# Altium PCB BEAGLEPLAYV020_220915.brd.PcbDoc (part 8 of 12)
Units mm, origin at the board's own origin, x right, y up, seen from the top; angles counter-clockwise.
Board outline 80 x 80 mm, 8 copper layers (TOP, LYR2_GND, LYR3, LAY4_PWR1, LAY5_PWR2, LAY6, LYR7_GND, BOTTOM), stack 1.545 mm thick; 782 components, 546 nets, 2864 pads, 2056 vias.
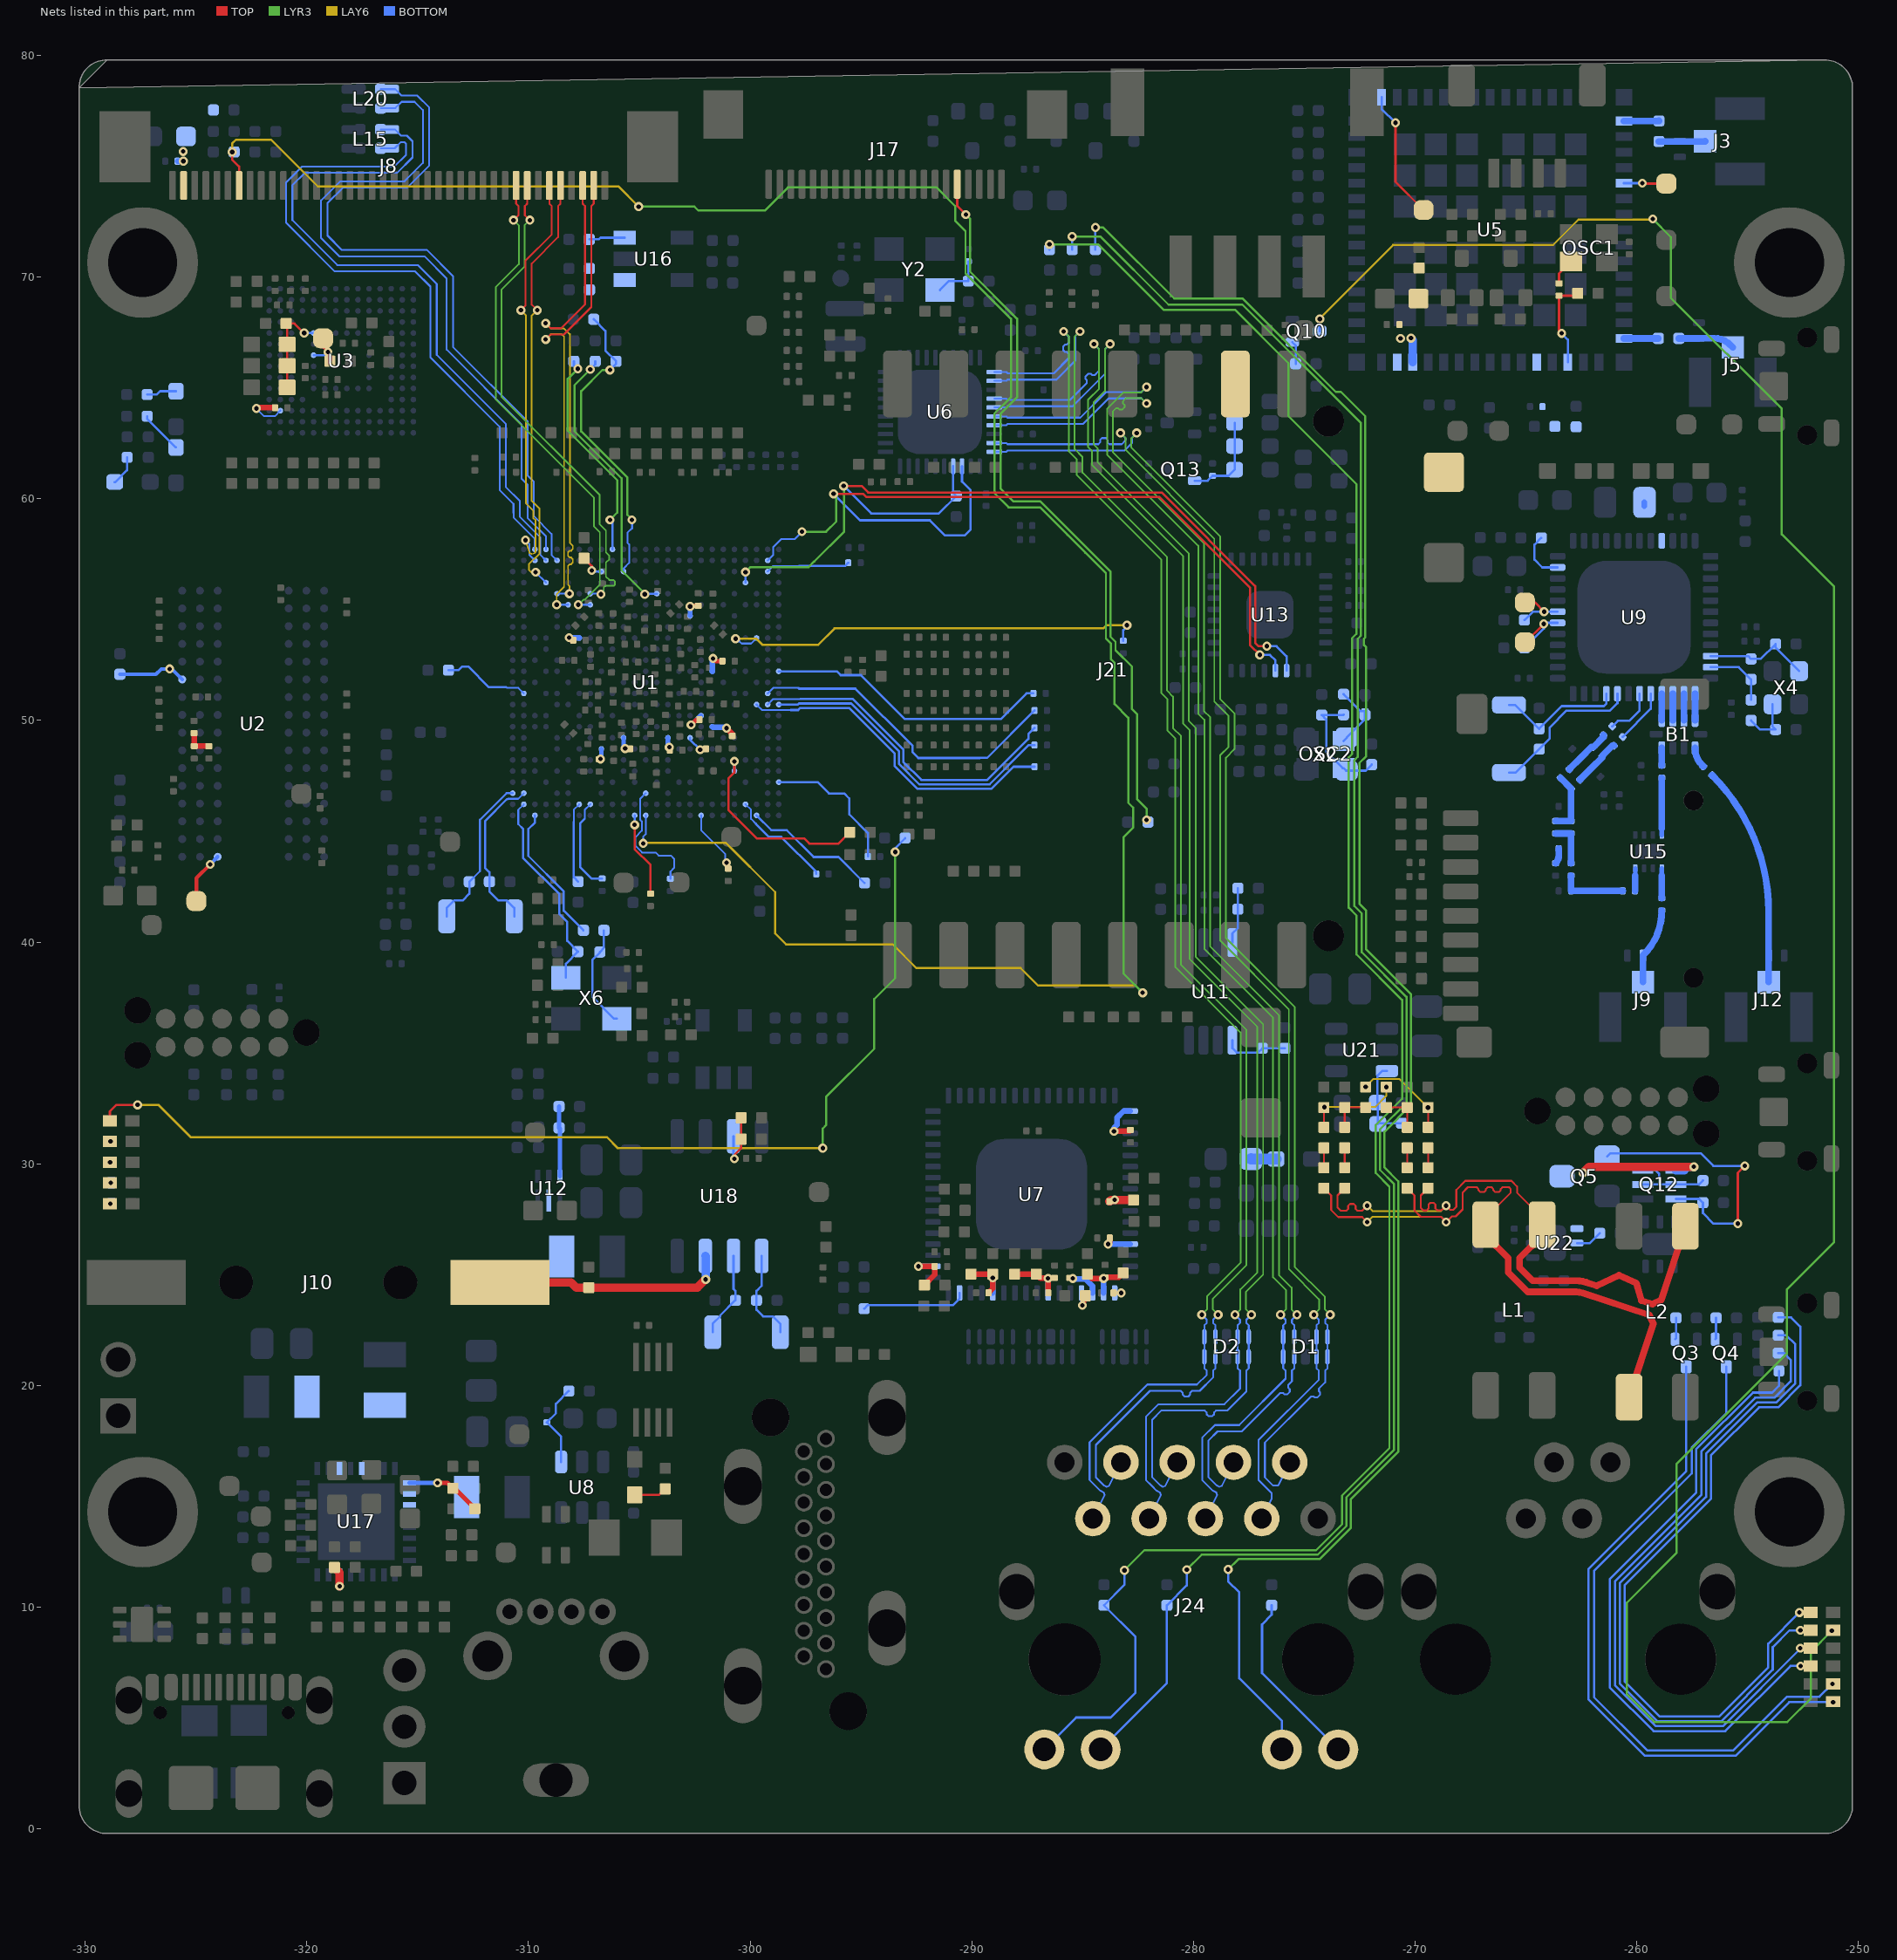
[diagram p14: the nets of this part, all layers, seen from the top]

## Via types
v1: diameter 0.406/0/0.406/0/0/0/0/0.406 (per signal layer), hole 0.203, TOP to BOTTOM, 334 vias
v2: diameter 0.406/0.406/0/0/0/0/0.406/0.406 (per signal layer), hole 0.203, TOP to BOTTOM, 282 vias
v3: diameter 0.406/0/0/0/0/0.406/0/0.406 (per signal layer), hole 0.203, TOP to BOTTOM, 255 vias
v4: diameter 0.406/0.406/0/0/0/0.406/0.406/0.406 (per signal layer), hole 0.203, TOP to BOTTOM, 253 vias
v5: diameter 0.406, hole 0.203, TOP to BOTTOM, 212 vias
v6: diameter 0.406/0.406/0.406/0/0/0.406/0.406/0.406 (per signal layer), hole 0.203, TOP to BOTTOM, 173 vias
v7: diameter 0.406/0/0/0.406/0/0/0/0.406 (per signal layer), hole 0.203, TOP to BOTTOM, 131 vias
v8: diameter 0.406/0/0/0/0.406/0/0/0.406 (per signal layer), hole 0.203, TOP to BOTTOM, 98 vias
v9: diameter 0.406/0.406/0/0.406/0/0/0.406/0.406 (per signal layer), hole 0.203, TOP to BOTTOM, 93 vias
v10: diameter 0.406/0/0.406/0/0/0.406/0/0.406 (per signal layer), hole 0.203, TOP to BOTTOM, 87 vias
v11: diameter 0.406/0.406/0/0.406/0/0.406/0.406/0.406 (per signal layer), hole 0.203, TOP to BOTTOM, 44 vias
v12: diameter 0.406/0.406/0.406/0.406/0/0.406/0.406/0.406 (per signal layer), hole 0.203, TOP to BOTTOM, 40 vias
v13: diameter 0.406/0.406/0.406/0/0/0/0.406/0.406 (per signal layer), hole 0.203, TOP to BOTTOM, 19 vias
v14: diameter 0.406/0/0/0.406/0/0.406/0/0.406 (per signal layer), hole 0.203, TOP to BOTTOM, 15 vias
v15: diameter 0.406/0/0/0/0.406/0.406/0/0.406 (per signal layer), hole 0.203, TOP to BOTTOM, 13 vias
v16: diameter 0.406/0/0.406/0/0.406/0/0/0.406 (per signal layer), hole 0.203, TOP to BOTTOM, 3 vias
v17: diameter 0.406/0/0.406/0.406/0/0/0/0.406 (per signal layer), hole 0.203, TOP to BOTTOM, 3 vias
v18: diameter 0.406/0.406/0.406/0.406/0/0/0.406/0.406 (per signal layer), hole 0.203, TOP to BOTTOM, 1 vias

## Nets (pads, with @x,y where several pads share a name; then routed paths per layer and width w, separated by ;. In a path a pad name is that pad's centre, name@x,y a point inside that pad or via, vN(x,y) a via of type N, cw(c..) or ccw(c..) an arc to the next point about the centre after c; other vN are vias at no path point) (continued)
MDI0+: D2.5 D2.6 J24.2 U6.1 | length 67
  LYR3 w0.076: v1(-285.862,67.55) -285.623,67.31 -285.623,62.128 -285.267,61.773 -285.267,61.073 -281.457,57.263 -281.457,51.243 -281.186,50.971 -281.186,49.549 -280.822,49.186 -280.822,38.873 -277.876,35.927 -277.876,25.541 -279.392,24.026 -279.392,23.435 v1(-279.629,23.197)
  BOTTOM w0.084: U6.1@-288.993,65.717 -288.447,65.717 -288.39,65.661 -286.307,65.661 -285.623,66.345 -285.623,66.535 -285.707,66.619 -285.793,66.619 -285.877,66.702 -285.877,66.87 -285.793,66.954 -285.707,66.954 -285.623,67.038 -285.623,67.31 v1(-285.862,67.55) ; J24.2@-284.546,14 -284.012,15.067 -284.049,15.179 -284.198,15.253 -284.689,15.745 -284.689,17.444 -282.085,20.048 -279.844,20.048 -279.405,20.488 -279.405,20.676 -279.511,20.783 D2.5@-279.511,21.302 D2.6@-279.511,22.202 -279.511,22.721 -279.405,22.827 -279.405,22.973 v1(-279.629,23.197)
MDI0-: D2.4 D2.7 J24.3 U6.2 | length 67.1
  LYR3 w0.076: v1(-285.126,67.55) -285.361,67.314 -285.361,62.237 -285.006,61.881 -285.006,61.181 -281.196,57.371 -281.196,51.351 -280.924,51.079 -280.924,49.657 -280.561,49.294 -280.561,38.981 -277.614,36.035 -277.614,25.433 -279.13,23.917 -279.13,23.435 v1(-278.893,23.197)
  BOTTOM w0.084: U6.2@-288.993,65.317 -288.446,65.317 -288.39,65.374 -286.188,65.374 -285.336,66.226 -285.336,67.339 v1(-285.126,67.55) ; J24.3@-283.276,16.54 -283.81,15.474 -283.922,15.437 -284.028,15.489 -284.402,15.864 -284.402,17.325 -281.965,19.761 -280.572,19.761 -280.488,19.677 -280.488,19.591 -280.404,19.507 -280.236,19.507 -280.153,19.591 -280.153,19.677 -280.069,19.761 -279.725,19.761 -279.118,20.369 -279.118,20.676 -279.011,20.783 D2.4@-279.011,21.302 D2.7@-279.011,22.202 -279.011,22.721 -279.118,22.827 -279.118,22.973 v1(-278.893,23.197)
MDI1+: D2.2 D2.9 J24.4 U6.4 | length 67.9
  LYR3 w0.076: v1(-284.492,66.98) -284.259,66.747 -284.259,64.966 -284.767,64.458 -284.767,62.35 -284.589,62.173 -284.589,61.537 -280.474,57.423 -280.474,49.868 -280.17,49.563 -280.17,39.236 -277.122,36.188 -277.122,25.113 -277.892,24.343 -277.892,23.435 v1(-278.129,23.197)
  BOTTOM w0.084: U6.4@-288.993,64.517 -288.447,64.517 -288.39,64.46 -285.577,64.46 -284.814,65.223 -284.814,65.342 -284.873,65.401 -284.873,65.52 -284.755,65.638 -284.636,65.638 -284.577,65.579 -284.458,65.579 -284.272,65.766 -284.272,66.76 v1(-284.492,66.98) ; J24.4@-282.006,14 -281.472,15.067 -281.509,15.179 -281.658,15.253 -281.878,15.473 -282.149,15.745 -282.149,18.587 -281.577,19.159 -278.605,19.159 -277.904,19.86 -277.904,20.676 -278.011,20.783 D2.2@-278.011,21.302 D2.9@-278.011,22.202 -278.011,22.721 -277.904,22.827 -277.904,22.973 v1(-278.129,23.197)
MDI1-: D2.1 D2.10 J24.5 U6.5 | length 68
  LYR3 w0.076: v1(-283.764,66.98) -283.997,66.747 -283.997,64.857 -284.505,64.349 -284.505,62.459 -284.328,62.281 -284.328,61.646 -280.213,57.531 -280.213,49.976 -279.908,49.671 -279.908,39.345 -276.86,36.297 -276.86,25.005 -277.63,24.234 -277.63,23.435 v1(-277.393,23.197)
  BOTTOM w0.084: U6.5@-288.993,64.117 -288.446,64.117 -288.39,64.173 -285.458,64.173 -283.985,65.647 -283.985,66.759 v1(-283.764,66.98) ; J24.5@-280.736,16.54 -281.27,15.474 -281.382,15.437 -281.488,15.489 -281.862,15.864 -281.862,18.468 -281.457,18.872 -279.492,18.872 -279.408,18.788 -279.408,18.702 -279.325,18.618 -279.157,18.618 -279.073,18.702 -279.073,18.788 -278.989,18.872 -278.486,18.872 -277.617,19.741 -277.617,20.676 -277.511,20.783 D2.1@-277.511,21.302 D2.10@-277.511,22.202 -277.511,22.721 -277.617,22.827 -277.617,22.973 v1(-277.393,23.197)
MDI2+: D1.5 D1.6 J24.6 U6.6 | length 66
  LYR3 w0.076: v1(-282.118,65.038) -282.361,64.795 -283.159,64.795 -283.895,64.059 -283.895,61.986 -279.789,57.88 -279.789,50.311 -279.509,50.031 -279.509,39.693 -276.41,36.595 -276.41,24.885 -275.836,24.311 -275.836,23.435 v1(-276.073,23.197)
  BOTTOM w0.084: U6.6@-288.993,63.717 -288.446,63.717 -288.39,63.661 -285.107,63.661 -283.954,64.814 -282.343,64.814 v1(-282.118,65.038) ; J24.6@-279.466,14 -278.932,15.067 -278.969,15.179 -279.118,15.253 -279.611,15.746 -279.611,17.645 -279.037,18.219 -277.944,18.219 -275.849,20.315 -275.849,20.676 -275.955,20.783 D1.5@-275.955,21.302 D1.6@-275.955,22.202 -275.955,22.721 -275.849,22.827 -275.849,22.973 v1(-276.073,23.197)
MDI2-: D1.4 D1.7 J24.7 U6.7 | length 65.8
  LYR3 w0.076: v1(-282.118,64.302) -282.35,64.534 -283.051,64.534 -283.177,64.407 -283.177,64.3 -283.114,64.237 -283.114,64.129 -283.222,64.021 -283.33,64.021 -283.393,64.084 -283.501,64.084 -283.634,63.951 -283.634,62.095 -279.527,57.988 -279.527,50.419 -279.248,50.14 -279.248,39.802 -276.149,36.703 -276.149,24.994 -275.574,24.419 -275.574,23.435 v1(-275.337,23.197)
  BOTTOM w0.084: U6.7@-288.993,63.317 -288.447,63.317 -288.39,63.374 -284.987,63.374 -283.835,64.527 -282.343,64.527 v1(-282.118,64.302) ; J24.7@-278.196,16.54 -278.73,15.474 -278.842,15.437 -278.948,15.489 -279.324,15.866 -279.324,17.526 -278.917,17.932 -277.825,17.932 -276.086,19.672 -275.967,19.672 -275.895,19.6 -275.777,19.6 -275.658,19.719 -275.658,19.837 -275.73,19.909 -275.73,20.028 -275.562,20.196 -275.562,20.676 -275.455,20.783 D1.4@-275.455,21.302 D1.7@-275.455,22.202 -275.455,22.721 -275.562,22.827 -275.562,22.973 v1(-275.337,23.197)
MDI3+: D1.2 D1.9 J24.8 U6.9 | length 61.5
  LYR3 w0.076: v1(-283.291,62.967) -283.065,62.741 -283.065,62.198 -279.065,58.197 -279.065,50.857 -278.417,50.209 -278.417,48.811 -278.798,48.43 -278.798,40.075 -275.699,36.976 -275.699,25.255 -274.336,23.892 -274.336,23.435 v1(-274.573,23.197)
  BOTTOM w0.084: U6.9@-288.993,62.517 -288.447,62.517 -288.39,62.46 -284.297,62.46 -284.213,62.544 -284.213,62.654 -284.129,62.738 -283.961,62.738 -283.878,62.654 -283.878,62.544 -283.794,62.46 -283.237,62.46 -283.07,62.628 -283.07,62.746 v1(-283.291,62.967) ; J24.8@-276.926,14 -276.483,14.885 -276.483,15.159 -277.069,15.745 -277.069,17.546 -274.348,20.266 -274.348,20.676 -274.455,20.783 D1.2@-274.455,21.302 D1.9@-274.455,22.202 -274.455,22.721 -274.348,22.827 -274.348,22.973 v1(-274.573,23.197)
MDI3-: D1.1 D1.10 J24.9 U6.10 | length 61.7
  LYR3 w0.076: v1(-282.563,62.967) -282.804,62.726 -282.804,62.306 -278.803,58.306 -278.803,50.965 -278.155,50.317 -278.155,48.703 -278.536,48.322 -278.536,40.183 -275.438,37.084 -275.438,25.364 -274.074,24 -274.074,23.435 v1(-273.837,23.197)
  BOTTOM w0.084: U6.10@-288.993,62.117 -288.446,62.117 -288.39,62.173 -283.118,62.173 -282.783,62.508 -282.783,62.746 v1(-282.563,62.967) ; J24.9@-275.656,16.54 -276.182,15.49 -276.407,15.49 -276.782,15.864 -276.782,17.426 -274.699,19.509 -274.581,19.509 -274.534,19.463 -274.416,19.463 -274.297,19.582 -274.297,19.7 -274.343,19.747 -274.343,19.865 -274.061,20.147 -274.061,20.676 -273.955,20.783 D1.1@-273.955,21.302 D1.10@-273.955,22.202 -273.955,22.721 -274.061,22.827 -274.061,22.973 v1(-273.837,23.197)
MDIO0_MDC: U1.AD24 U6.13 U13.12 | length 40.4
  TOP w0.102: v1(-296.24,60.223) -294.902,60.223 -294.757,60.079 -281.541,60.079 -277.444,55.981 -277.444,53.391 -277.014,52.961 v5(-277.014,52.957)
  LYR3 w0.097: -297.104,58.514 -296.578,58.514 -296.113,58.979 -296.113,60.096 v1(-296.24,60.223)
  LYR3 w0.102: v1(-297.663,58.514) -297.104,58.514
  BOTTOM w0.081: U1.AD24@-299.211,57.22 -298.96,57.471 -298.96,57.826 -298.602,58.184 -297.993,58.184 v1(-297.663,58.514)
  BOTTOM w0.102: v1(-296.24,60.223) -295.046,59.03 -291.897,59.03 -291.211,58.344 -290.322,58.344 -290.068,58.598 -290.068,60.401 -290.443,60.776 U6.13@-290.443,61.467 ; v5(-277.014,52.957) -276.553,52.957 -276.305,52.709 U13.12@-276.305,52.248
MDIO0_MDIO: R263.2 U1.AB22 U6.14 U13.11 | length 40.4
  TOP w0.102: v1(-295.783,60.579) -294.97,60.579 -294.673,60.282 -281.44,60.282 -277.216,56.058 -277.216,53.492 -277.073,53.35 v5(-276.693,53.35)
  LYR3 w0.097: -297.104,57.175 -295.758,58.522 -295.758,60.554 v1(-295.783,60.579)
  LYR3 w0.102: v1(-300.211,56.693) -299.983,56.921 -297.358,56.921 -297.104,57.175
  BOTTOM w0.102: U1.AB22@-300.211,56.219 v1(-300.211,56.693) ; v1(-295.783,60.579) -294.538,59.334 -291.489,59.334 R263.2@-290.703,60.121 -290.843,60.261 U6.14@-290.843,61.467 ; v5(-276.693,53.35) -276.261,53.35 -275.805,52.894 U13.11@-275.805,52.248
MST_RST_3V3: J8.34 R242.1 U1.A13 | length 105.3
  TOP w0.102: v3(-323.367,75.641) -323.367,75.298 -323.056,74.987 J8.34@-323.056,74.131
  LYR3 w0.097: v10(-305.029,73.177) -302.514,73.177 -302.336,73 -299.339,73 -298.298,74.041 -291.592,74.041 -290.754,73.203 -290.754,72.542 -290.286,72.075 -290.286,70.168 -288.239,68.121 -288.239,64.581 -288.977,63.843 -288.977,60.25 -288.341,59.614 -286.924,59.614 -285.687,58.377 -285.685,58.377 -284.881,57.573 -284.881,57.571 -283.952,56.641 -283.952,53.702 -283.718,53.468 -283.718,52.756 -283.563,52.601 -283.563,50.74 -282.946,50.123 -282.946,46.292 -282.727,46.074 -282.727,45.161 -283.159,44.729 -283.159,38.583 v10(-282.296,37.719)
  LAY6 w0.097: v3(-323.367,75.641) -323.367,76.022 -323.19,76.2 -321.615,76.2 -319.507,74.092 -305.943,74.092 v10(-305.029,73.177) ; v3(-304.827,44.455) -304.807,44.475 -301.092,44.475 -298.873,42.257 -298.873,40.395 -298.382,39.903 -293.573,39.903 -292.499,38.829 -287.8,38.829 -287.02,38.049 -282.626,38.049 v10(-282.296,37.719)
  BOTTOM w0.081: v3(-304.827,44.455) -304.827,44.753 -304.711,44.869 U1.A13@-304.711,45.719
N8480473: C76.1 U3.C2 | length 2.2
  TOP w0.254: v5(-322.275,64.077) -322.241,64.111 C76.1@-321.433,64.111
  BOTTOM w0.081: v5(-322.275,64.077) -321.925,63.726 -321.442,63.726 U3.C2@-321.193,63.975
N8487606: R80.1 U1.B22 | length 4.8
  BOTTOM w0.081: U1.B22@-300.211,46.219 -299.962,45.97 -299.962,45.556 -299.745,45.339
  BOTTOM w0.102: -299.745,45.339 -299.161,44.755 -298.602,44.755 -297.02,43.172 R80.1@-297.02,43.078
N8498391: R79.1 U1.D25 | length 6.5
  BOTTOM w0.097: R79.1@-294.691,43.865 -294.691,44.924
  BOTTOM w0.102: U1.D25@-298.711,47.22 -296.952,47.22 -296.443,46.711 -295.758,46.711 -295.529,46.482 -295.529,45.763 -294.691,44.924
N8502406: D47.1 D48.1 D56.1 R14.2 U3.K5 | length 4.3
  TOP w0.102: D56.1@-320.89,65.024 D48.1@-320.89,66 D47.1@-320.89,66.964 -320.89,67.866 R14.2@-320.933,67.908 -320.555,67.908 v5(-320.121,67.475)
  BOTTOM w0.102: v5(-320.121,67.475) U3.K5@-319.693,67.475
N8504005: TP6.1 U5.2 | length 5.9
  TOP w0.102: v5(-270.891,76.962) -270.891,74.295 TP6.1@-269.621,73.025
  BOTTOM w0.102: U5.2@-271.515,78.111 -271.515,77.586 v5(-270.891,76.962)
N8504092: TP7.1 U5.22 | length 1.9
  TOP w0.102: v5(-259.758,74.236) -259.738,74.216 TP7.1@-258.669,74.216
  BOTTOM w0.102: U5.22@-260.59,74.236 v5(-259.758,74.236)
N8504621: C83.1 C84.1 FB1.2 U5.46 U5.47 | length 1.1
  BOTTOM w0.381: v5(-270.192,67.246) -270.115,67.169 U5.46@-270.115,66.161
  other v5: -270.662,67.234
N8505525: C85.1 C86.1 FB2.2 U5.38
N8507580: C256.1 U5.18 | length 1.6
  BOTTOM w0.305: U5.18@-260.59,77.036 -259.011,77.036 C256.1@-259.004,77.044
N8507584: C257.1 U5.32 | length 1.6
  BOTTOM w0.305: U5.32@-260.59,67.236 -259.037,67.236 C257.1@-259.035,67.234
N8521467: OSC1.3 R31.1 | length 1.2
  TOP w0.102: R31.1@-263.512,69.718 -263.512,70.164 OSC1.3@-262.974,70.703
N8521963: R30.2 R31.2 U5.36 | length 4
  TOP w0.102: v5(-263.398,67.462) -263.512,67.577 R31.2@-263.512,69.159 -262.778,69.159 R30.2@-262.672,69.266
  BOTTOM w0.102: v5(-263.398,67.462) -263.115,67.179 U5.36@-263.115,66.161
N8554336: R258.1 U7.17 | length 0.6
  TOP w0.102: R258.1@-283.609,24.181 v5(-283.261,24.181)
  BOTTOM w0.102: U7.17@-283.555,24.181 v5(-283.261,24.181)
N15874060: R1.1 U2.F9 | length 3.1
  BOTTOM w0.168: R1.1@-328.433,52.085 -326.805,52.084 -326.565,52.324 v5(-326.189,52.324) -326.091,52.324 U2.F9@-325.619,51.853
N15874116: TP11.1 U2.T7 | length 2.4
  TOP w0.168: TP11.1@-324.982,41.855 -324.982,42.889 v5(-324.361,43.51)
  BOTTOM w0.168: v5(-324.361,43.51) U2.T7@-324.019,43.852
N15878591: C82.1 R2.2 R3.2 | length 1.2
  TOP w0.254: C82.1@-325.087,49.428 -325.077,49.418 R3.2@-325.077,48.844 R2.2@-324.416,48.844
N15909544: R88.2 U1.M2 | length 4
  BOTTOM w0.081: -311.781,51.504 -310.998,51.504 -310.963,51.469 -310.46,51.469 U1.M2@-310.211,51.22
  BOTTOM w0.102: R88.2@-313.613,52.269 -313.159,52.269 -312.995,52.433 -312.711,52.433 -311.781,51.504
N15925896: R89.1 U7.20 | length 1.1
  TOP w0.102: v5(-285.013,23.622) -284.881,23.754 R89.1@-284.881,24.054
  BOTTOM w0.102: U7.20@-285.055,24.181 -285.055,23.664 v5(-285.013,23.622)
N15938500: C1.2 C254.1 OSC2.4 R220.1 R221.2 X2.4 | length 3
  BOTTOM w0.102: X2.4@-273.232,49.075 -273.091,49.216 OSC2.4@-273.091,49.239 -272.266,50.063 R220.1@-272.266,50.244 C254.1@-272.266,50.42 -272.467,50.42 C1.2@-273.231,51.184
N15938564: C1.1 OSC2.1 R99.2 R221.1 R222.1 X2.1 | length 5.2
  BOTTOM w0.102: C1.1@-273.231,50.259 -273.244,50.246 R99.2@-274.215,50.246 -274.015,50.046 -274.015,48.59 -273.275,47.85 X2.1@-273.232,47.85 -273.121,47.739 OSC2.1@-273.091,47.739 -272.234,47.739 R222.1@-271.961,48.011
N15941863: C12.1 R100.2 R104.1 | length 1.8
  TOP w0.084: C12.1@-273.181,31.648 R100.2@-273.181,32.543 R104.1@-272.234,32.543
N15941865: C13.1 R101.2 R105.1 | length 4.3
  TOP w0.084: C13.1@-274.12,31.648 R101.2@-274.12,32.54 v3(-274.099,32.563) ; v3(-271.306,33.468) R105.1@-271.301,33.468
  LAY6 w0.076: v3(-274.099,32.563) -271.805,32.563 -271.306,33.062 v3(-271.306,33.468)
N15941871: C15.1 R102.2 R104.2 | length 4.4
  TOP w0.084: v3(-269.424,32.543) R102.2@-269.421,32.543 C15.1@-269.421,31.648
  LAY6 w0.076: v3(-272.237,33.477) -271.882,33.833 -270.713,33.833 v3(-269.424,32.543)
N15941883: C14.1 R103.2 R105.2 | length 1.8
  TOP w0.084: R105.2@-271.301,32.543 R103.2@-270.361,32.543 C14.1@-270.361,31.648
N15942115: C12.2 R106.1 | length 0.9
  TOP w0.084: R106.1@-273.181,29.828 C12.2@-273.181,30.723
N15942117: C13.2 R107.1 | length 0.9
  TOP w0.084: R107.1@-274.12,29.828 C13.2@-274.12,30.723
N15942312: C15.2 R109.1 | length 0.9
  TOP w0.084: R109.1@-269.421,29.828 C15.2@-269.421,30.723
N15942316: C14.2 R108.1 | length 0.9
  TOP w0.084: R108.1@-270.361,29.828 C14.2@-270.361,30.723
N15942320: L1.2 L2.3 R107.2 R108.2 | length 29.5
  TOP w0.084: R107.2@-274.12,28.903 -273.794,28.577 -273.794,27.922 -273.474,27.602 -272.392,27.602 v3(-272.167,27.377) ; R108.2@-270.361,28.903 -270.035,28.577 -270.035,27.897 -269.748,27.61 -268.837,27.61 v3(-268.605,27.377) -268.348,27.634 -268.174,27.634 -267.861,27.948 -267.861,28.71 -267.622,28.948 -267.233,28.948 -267.149,28.865 -267.149,28.811 -267.065,28.727 -266.898,28.727 -266.814,28.811 -266.814,28.865 -266.73,28.948 -266.562,28.948 -266.479,28.865 -266.479,28.811 -266.395,28.727 -266.227,28.727 -266.143,28.811 -266.143,28.865 -266.059,28.948 -265.775,28.948 -265.692,28.865 -265.692,28.702 -266.818,27.575 L1.2@-266.818,27.26
  TOP w0.305: L1.2@-266.818,27.26 -266.818,26.768 -265.802,25.752 -265.802,25.11 -264.917,24.225 -262.747,24.225 cw(c-262.747,23.269) -262.448,24.177 -259.449,23.188 -259.255,22.803 L2.3@-260.35,19.484
  LAY6 w0.076: v3(-272.167,27.377) -271.93,27.615 -268.842,27.615 v3(-268.605,27.377)
N15942332: L1.1 L2.1 R106.2 R109.2 | length 29.4
  TOP w0.084: R106.2@-273.181,28.903 -273.507,28.577 -273.507,28.041 -273.355,27.889 -273.109,27.889 -273.025,27.973 -273.025,28.11 -272.941,28.194 -272.773,28.194 -272.69,28.11 -272.69,27.973 -272.606,27.889 -272.392,27.889 v3(-272.167,28.114) ; R109.2@-269.421,28.903 -269.748,28.576 -269.748,28.016 -269.629,27.897 -269.486,27.897 -269.392,27.991 -269.392,28.169 -269.316,28.245 -269.164,28.245 -269.088,28.169 -269.088,27.992 -269.004,27.908 -268.811,27.908 v3(-268.605,28.114) -268.412,27.921 -268.294,27.921 -268.148,28.067 -268.148,28.829 -267.741,29.235 -265.656,29.235 -265.405,28.984 -265.405,28.702 -264.278,27.576 L1.1@-264.278,27.26
  TOP w0.305: L1.1@-264.278,27.26 -264.278,26.768 -265.294,25.752 -265.294,25.321 -264.706,24.733 -262.747,24.733 cw(c-262.747,23.269) -262.288,24.659 -261.815,24.503 -260.813,24.98 -260.028,24.615 -259.796,23.837 -259.29,23.67 -258.905,23.864 L2.1@-257.81,27.183
  LAY6 w0.076: v3(-272.167,28.114) -271.93,27.877 -268.842,27.877 v3(-268.605,28.114)
N15956159: B1.7 U9.3 | length 1.2
  BOTTOM w0.305: B1.7@-258.377,50.011 U9.3@-258.377,51.205
N15956167: B1.4 C19.1 | length 0.8
  BOTTOM w0.305: C19.1@-258.877,47.974 B1.4@-258.877,48.761
N15956223: B1.6 U9.4 | length 1.2
  BOTTOM w0.305: B1.6@-258.877,50.011 U9.4@-258.877,51.205
N15956457: C19.2 U15.8 | length 2.6
  BOTTOM w0.203: U15.8@-258.877,44.835 -258.877,45.136
  BOTTOM w0.305: -258.877,45.136 C19.2@-258.877,47.415
N15956717: L3.2 U9.33 | length 0.2
  BOTTOM w0.254: L3.2@-259.659,59.66 L3.2@-259.659,59.837
N15956763: C21.1 U15.1 | length 1.3
  BOTTOM w0.203: -258.877,43.008 U15.1@-258.877,43.334
  BOTTOM w0.305: C21.1@-258.877,41.986 -258.877,43.008
N15956767: C21.2 D28.2 J9.1 | length 3.5
  BOTTOM w0.305: J9.1@-259.729,38.202 D28.2@-259.729,39.395 -259.711,39.414 ccw(c-261.725,41.427) C21.2@-258.877,41.427
N15956835: C25.1 U15.4 | length 1
  BOTTOM w0.203: -260.077,43.008 U15.4@-260.077,43.334
  BOTTOM w0.305: C25.1@-260.085,42.316 -260.077,42.325 -260.077,43.008
N15956943: C33.1 U9.8 X3.1 | length 6.9
  BOTTOM w0.102: X3.1@-265.772,47.654 -265.463,47.654 C33.1@-264.405,48.712 -263.931,49.185 -263.931,49.682 -263.169,50.444 -261.213,50.444 -260.877,50.781 U9.8@-260.877,51.205
N15956969: C34.1 U9.9 X3.2 | length 5.8
  BOTTOM w0.102: X3.2@-265.772,50.702 -265.492,50.702 C34.1@-264.413,49.623 -263.388,50.648 -261.493,50.648 -261.377,50.763 U9.9@-261.377,51.205
N15956977: C26.1 L5.1 L6.2 L7.2 | length 2.2
  BOTTOM w0.305: C26.1@-262.573,47.326 L5.1@-262.043,47.857 -261.56,48.339 L7.2@-261.56,48.41 -261.107,48.863 L6.2@-261.036,48.863
N15957113: L6.1 U9.5 | length 2.5
  BOTTOM w0.102: L6.1@-260.641,49.258 -259.377,50.522 U9.5@-259.377,51.205
N15957129: C26.2 C27.1 C31.1 L9.1 L11.2 | length 2.8
  BOTTOM w0.305: L9.1@-263.665,45.466 C27.1@-262.968,45.466 C31.1@-262.968,46.127 C26.2@-262.968,46.931 L11.2@-263.443,47.405

## Text inside footprints (layer, text, board x,y; h text height)
U5: PIN_NUMBER "60" at -273.148,74.236 h0.64; PIN_NUMBER "58" at -273.148,72.836 h0.64; PIN_NUMBER "56" at -273.148,71.436 h0.64; PIN_NUMBER "51" at -273.148,67.936 h0.64; PIN_NUMBER "50" at -273.148,67.236 h0.64; PIN_NUMBER "53" at -273.148,69.336 h0.64; PIN_NUMBER "52" at -273.148,68.636 h0.64; PIN_NUMBER "4" at -270.369,78.111 h0.64; PIN_NUMBER "5" at -269.669,78.111 h0.64; PIN_NUMBER "25" at -261.098,72.136 h0.64; PIN_NUMBER "3" at -271.069,78.111 h0.64; PIN_NUMBER "21" at -261.098,74.936 h0.64; PIN_NUMBER "62" at -273.148,75.636 h0.64; PIN_NUMBER "8" at -267.569,78.111 h0.64; PIN_NUMBER "11" at -265.723,78.111 h0.64; PIN_NUMBER "12" at -265.023,78.111 h0.64; PIN_NUMBER "13" at -264.323,78.111 h0.64; PIN_NUMBER "10" at -266.423,78.111 h0.64; PIN_NUMBER "6" at -268.969,78.111 h0.64; PIN_NUMBER "40" at -266.423,66.161 h0.64; PIN_NUMBER "14" at -263.623,78.111 h0.64; PIN_NUMBER "46" at -270.623,66.161 h0.64; PIN_NUMBER "47" at -271.323,66.161 h0.64; PIN_NUMBER "G25" at -271.227,68.286 h0.64; PIN_NUMBER "G35" at -264.927,68.286 h0.64; PIN_NUMBER "G32" at -264.927,69.686 h0.64; PIN_NUMBER "G31" at -266.327,69.686 h0.64; PIN_NUMBER "G29" at -264.927,71.086 h0.64; PIN_NUMBER "G24" at -268.427,69.686 h0.64; PIN_NUMBER "G23" at -269.827,69.686 h0.64; PIN_NUMBER "G19" at -271.227,71.086 h0.64; PIN_NUMBER "G11" at -264.927,75.986 h0.64; PIN_NUMBER "G6" at -268.173,74.586 h0.64; PIN_NUMBER "G5" at -269.573,74.586 h0.64; PIN_NUMBER "G1" at -270.973,75.986 h0.64; PIN_NUMBER "G2" at -269.573,75.986 h0.64; PIN_NUMBER "37" at -264.323,66.161 h0.64; PIN_NUMBER "48" at -272.023,66.161 h0.64; PIN_NUMBER "G7" at -270.973,73.186 h0.64; PIN_NUMBER "61" at -273.148,74.936 h0.64; PIN_NUMBER "64" at -273.148,77.036 h0.64; PIN_NUMBER "63" at -273.148,76.336 h0.64; PIN_NUMBER "1" at -272.894,78.111 h0.64; PIN_NUMBER "45" at -269.923,66.161 h0.64; PIN_NUMBER "44" at -269.223,66.161 h0.64; PIN_NUMBER "G21" at -268.427,71.086 h0.64; PIN_NUMBER "G9" at -268.173,73.186 h0.64; PIN_NUMBER "7" at -268.269,78.111 h0.64; PIN_NUMBER "39" at -265.723,66.161 h0.64; PIN_NUMBER "G28" at -266.327,71.086 h0.64; PIN_NUMBER "G16" at -266.327,73.186 h0.64; PIN_NUMBER "9" at -266.869,78.111 h0.64; PIN_NUMBER "35" at -262.923,66.161 h0.64; PIN_NUMBER "34" at -262.223,66.161 h0.64; PIN_NUMBER "G30" at -263.527,71.086 h0.64; PIN_NUMBER "G18" at -263.527,73.186 h0.64; PIN_NUMBER "G12" at -263.527,75.986 h0.64; PIN_NUMBER "16" at -262.223,78.111 h0.64; PIN_NUMBER "15" at -262.923,78.111 h0.64; PIN_NUMBER "33" at -261.098,66.161 h0.64; PIN_NUMBER "31" at -261.098,67.936 h0.64; PIN_NUMBER "30" at -261.098,68.636 h0.64; PIN_NUMBER "29" at -261.098,69.336 h0.64; PIN_NUMBER "28" at -261.098,70.036 h0.64; PIN_NUMBER "24" at -261.098,72.836 h0.64; PIN_NUMBER "23" at -261.098,73.536 h0.64; PIN_NUMBER "20" at -261.098,75.636 h0.64; PIN_NUMBER "19" at -261.098,76.336 h0.64; PIN_NUMBER "17" at -261.098,78.111 h0.64; PIN_NUMBER "55" at -273.148,70.736 h0.64; PIN_NUMBER "54" at -273.148,70.036 h0.64; PIN_NUMBER "G10" at -266.327,75.986 h0.64; PIN_NUMBER "G33" at -263.527,69.686 h0.64; PIN_NUMBER "G3" at -268.173,75.986 h0.64; PIN_NUMBER "G15" at -263.527,74.586 h0.64; PIN_NUMBER "G27" at -268.427,68.286 h0.64; PIN_NUMBER "59" at -273.148,73.536 h0.64; PIN_NUMBER "G14" at -264.927,74.586 h0.64; PIN_NUMBER "G26" at -269.827,68.286 h0.64; PIN_NUMBER "G8" at -269.573,73.186 h0.64; PIN_NUMBER "G20" at -269.827,71.086 h0.64; PIN_NUMBER "G13" at -266.327,74.586 h0.64; PIN_NUMBER "G36" at -263.527,68.286 h0.64; PIN_NUMBER "49" at -273.148,66.161 h0.64; PIN_NUMBER "G17" at -264.927,73.186 h0.64; PIN_NUMBER "G22" at -271.227,69.686 h0.64; PIN_NUMBER "G34" at -266.327,68.286 h0.64; PIN_NUMBER "G4" at -270.973,74.586 h0.64; PIN_NUMBER "27" at -261.098,70.736 h0.64; PIN_NUMBER "41" at -267.123,66.161 h0.64; PIN_NUMBER "18" at -261.098,77.036 h0.64; PIN_NUMBER "2" at -271.769,78.111 h0.64; PIN_NUMBER "26" at -261.098,71.436 h0.64; PIN_NUMBER "43" at -268.523,66.161 h0.64; PIN_NUMBER "57" at -273.148,72.136 h0.64; PIN_NUMBER "42" at -267.823,66.161 h0.64; PIN_NUMBER "36" at -263.623,66.161 h0.64; PIN_NUMBER "22" at -261.098,74.236 h0.64; PIN_NUMBER "38" at -265.023,66.161 h0.64; PIN_NUMBER "32" at -261.098,67.236 h0.64; ASSEMBLY_TOP "WL1807MODGIMOC" at -265.218,72.263 h0.64
U6: PIN_NUMBER "26" at -294.401,64.117 h0.64 r90; PIN_NUMBER "23" at -294.401,62.917 h0.64 r90; PIN_NUMBER "22" at -294.401,62.517 h0.64 r90; PIN_NUMBER "25" at -294.401,63.717 h0.64 r90; PIN_NUMBER "27" at -294.401,64.517 h0.64 r90; PIN_NUMBER "24" at -294.401,63.317 h0.64 r90; PIN_NUMBER "13" at -290.951,61.467 h0.64 r180; PIN_NUMBER "14" at -291.351,61.467 h0.64 r180; PIN_NUMBER "41" at -291.951,63.917 h0.64 r180; PIN_NUMBER "31" at -293.751,66.367 h0.64 r180; PIN_NUMBER "28" at -294.401,64.917 h0.64 r90; PIN_NUMBER "29" at -294.401,65.317 h0.64 r90; PIN_NUMBER "38" at -290.951,66.367 h0.64 r180; PIN_NUMBER "8" at -289.501,62.917 h0.64 r90; PIN_NUMBER "3" at -289.501,64.917 h0.64 r90; PIN_NUMBER "5" at -289.501,64.117 h0.64 r90; PIN_NUMBER "35" at -292.151,66.367 h0.64 r180; PIN_NUMBER "2" at -289.501,65.317 h0.64 r90; PIN_NUMBER "1" at -289.501,65.717 h0.64 r90; PIN_NUMBER "6" at -289.501,63.717 h0.64 r90; PIN_NUMBER "21" at -294.401,62.117 h0.64 r90; PIN_NUMBER "7" at -289.501,63.317 h0.64 r90; PIN_NUMBER "33" at -292.951,66.367 h0.64 r180; PIN_NUMBER "9" at -289.501,62.517 h0.64 r90; PIN_NUMBER "10" at -290.009,62.117 h0.64 r90; PIN_NUMBER "34" at -292.551,66.367 h0.64 r180; PIN_NUMBER "39" at -290.551,66.367 h0.64 r180; PIN_NUMBER "40" at -290.151,66.367 h0.64 r180; PIN_NUMBER "11" at -290.151,61.467 h0.64 r180; PIN_NUMBER "32" at -293.351,66.367 h0.64 r180; PIN_NUMBER "4" at -289.501,64.517 h0.64 r90; PIN_NUMBER "30" at -294.401,65.717 h0.64 r90; PIN_NUMBER "36" at -291.751,66.367 h0.64 r180; PIN_NUMBER "37" at -291.351,66.367 h0.64 r180; PIN_NUMBER "12" at -290.551,61.467 h0.64 r180; PIN_NUMBER "18" at -292.951,61.467 h0.64 r180; PIN_NUMBER "15" at -291.751,61.467 h0.64 r180; PIN_NUMBER "17" at -292.551,61.467 h0.64 r180; PIN_NUMBER "16" at -292.151,61.467 h0.64 r180; PIN_NUMBER "19" at -293.351,61.467 h0.64 r180; PIN_NUMBER "20" at -293.751,61.467 h0.64 r180; ASSEMBLY_TOP "RTL8211F-VD-CG" at -291.062,64.806 h0.64 r180
U7: PIN_NUMBER "51" at -290.563,33.081 h0.64 r180; PIN_NUMBER "33" at -292.263,24.881 h0.64 r90; PIN_NUMBER "63" at -284.563,33.081 h0.64 r180; PIN_NUMBER "64" at -284.063,33.081 h0.64 r180; PIN_NUMBER "62" at -285.063,33.081 h0.64 r180; PIN_NUMBER "10" at -283.871,27.881 h0.64 r90; PIN_NUMBER "5" at -283.363,30.381 h0.64 r90; PIN_NUMBER "6" at -283.363,29.881 h0.64 r90; PIN_NUMBER "7" at -283.363,29.381 h0.64 r90; PIN_NUMBER "27" at -289.063,24.181 h0.64 r180; PIN_NUMBER "14" at -283.871,25.881 h0.64 r90; PIN_NUMBER "16" at -283.871,24.881 h0.64 r90; PIN_NUMBER "20" at -285.563,24.181 h0.64 r180; PIN_NUMBER "29" at -290.063,24.181 h0.64 r180; PIN_NUMBER "15" at -283.871,25.381 h0.64 r90; PIN_NUMBER "30" at -290.563,24.181 h0.64 r180; PIN_NUMBER "21" at -286.063,24.181 h0.64 r180; PIN_NUMBER "25" at -288.063,24.181 h0.64 r180; PIN_NUMBER "24" at -287.563,24.181 h0.64 r180; PIN_NUMBER "22" at -286.563,24.181 h0.64 r180; PIN_NUMBER "26" at -288.563,24.181 h0.64 r180; PIN_NUMBER "12" at -283.871,26.881 h0.64 r90; PIN_NUMBER "11" at -283.871,27.381 h0.64 r90; PIN_NUMBER "2" at -283.363,31.881 h0.64 r90; PIN_NUMBER "3" at -283.363,31.381 h0.64 r90; PIN_NUMBER "4" at -283.363,30.881 h0.64 r90; PIN_NUMBER "61" at -285.563,33.081 h0.64 r180; PIN_NUMBER "60" at -286.063,33.081 h0.64 r180; PIN_NUMBER "59" at -286.563,33.081 h0.64 r180; PIN_NUMBER "58" at -287.063,33.081 h0.64 r180; PIN_NUMBER "65" at -287.813,28.631 h0.64 r180; PIN_NUMBER "57" at -287.563,33.081 h0.64 r180; PIN_NUMBER "55" at -288.563,33.081 h0.64 r180; PIN_NUMBER "35" at -292.263,25.881 h0.64 r90; PIN_NUMBER "56" at -288.063,33.081 h0.64 r180; PIN_NUMBER "8" at -283.363,28.881 h0.64 r90; PIN_NUMBER "54" at -289.063,33.081 h0.64 r180; PIN_NUMBER "53" at -289.563,33.081 h0.64 r180; PIN_NUMBER "52" at -290.063,33.081 h0.64 r180; PIN_NUMBER "50" at -291.063,33.081 h0.64 r180; PIN_NUMBER "49" at -291.563,33.081 h0.64 r180; PIN_NUMBER "48" at -292.263,32.381 h0.64 r90; PIN_NUMBER "47" at -292.263,31.881 h0.64 r90; PIN_NUMBER "46" at -292.263,31.381 h0.64 r90; PIN_NUMBER "45" at -292.263,30.881 h0.64 r90; PIN_NUMBER "44" at -292.263,30.381 h0.64 r90; PIN_NUMBER "18" at -284.563,24.181 h0.64 r180; PIN_NUMBER "23" at -287.063,24.181 h0.64 r180; PIN_NUMBER "28" at -289.563,24.181 h0.64 r180; PIN_NUMBER "1" at -283.363,32.381 h0.64 r90; PIN_NUMBER "34" at -292.263,25.381 h0.64 r90; PIN_NUMBER "13" at -283.871,26.381 h0.64 r90; PIN_NUMBER "9" at -283.363,28.381 h0.64 r90; PIN_NUMBER "19" at -285.063,24.181 h0.64 r180; PIN_NUMBER "17" at -284.063,24.181 h0.64 r180; PIN_NUMBER "32" at -291.563,24.181 h0.64 r180; PIN_NUMBER "31" at -291.063,24.181 h0.64 r180; PIN_NUMBER "43" at -292.263,29.881 h0.64 r90; PIN_NUMBER "42" at -292.263,29.381 h0.64 r90; PIN_NUMBER "41" at -292.263,28.881 h0.64 r90; PIN_NUMBER "40" at -292.263,28.381 h0.64 r90; PIN_NUMBER "39" at -292.263,27.881 h0.64 r90; PIN_NUMBER "38" at -292.263,27.381 h0.64 r90; PIN_NUMBER "37" at -292.263,26.881 h0.64 r90; PIN_NUMBER "36" at -292.263,26.381 h0.64 r90; ASSEMBLY_TOP "IT66121FN" at -287.813,29.393 h0.64 r180
U8: PIN_NUMBER "3" at -306.885,16.557 h0.64; PIN_NUMBER "5" at -307.835,14.271 h0.64; PIN_NUMBER "6" at -308.785,14.271 h0.64; PIN_NUMBER "2" at -307.835,16.557 h0.64; PIN_NUMBER "1" at -308.785,16.557 h0.64; PIN_NUMBER "4" at -306.885,14.271 h0.64; ASSEMBLY_TOP "TPD3S014DBVR" at -307.708,15.922 h0.64
U9: PIN_NUMBER "16" at -263.817,53.405 h0.3 r90; PIN_NUMBER "17" at -263.817,53.905 h0.3 r90; PIN_NUMBER "20" at -263.817,55.405 h0.3 r90; PIN_NUMBER "28" at -261.857,58.105 h0.3; PIN_NUMBER "29" at -261.357,58.105 h0.3; PIN_NUMBER "30" at -260.857,58.105 h0.3; PIN_NUMBER "31" at -260.357,58.105 h0.3; PIN_NUMBER "32" at -259.857,58.105 h0.3; PIN_NUMBER "36" at -257.857,58.105 h0.3; PIN_NUMBER "37" at -256.917,57.405 h0.3 r90; PIN_NUMBER "38" at -256.917,56.905 h0.3 r90; PIN_NUMBER "39" at -256.917,56.405 h0.3 r90; PIN_NUMBER "10" at -262.357,51.205 h0.3; PIN_NUMBER "11" at -262.857,51.205 h0.3; PIN_NUMBER "12" at -263.357,51.205 h0.3; PIN_NUMBER "14" at -263.817,52.405 h0.3 r90; PIN_NUMBER "15" at -263.817,52.905 h0.3 r90; PIN_NUMBER "4" at -259.117,51.205 h0.3; PIN_NUMBER "2" at -258.117,51.205 h0.3; PIN_NUMBER "1" at -257.617,51.205 h0.3; PIN_NUMBER "25" at -263.357,58.105 h0.3; PIN_NUMBER "6" at -260.117,51.205 h0.3; PIN_NUMBER "5" at -259.617,51.205 h0.3; PIN_NUMBER "42" at -256.917,54.905 h0.3 r90; PIN_NUMBER "33" at -259.357,58.105 h0.3; PIN_NUMBER "23" at -263.817,56.905 h0.3 r90; PIN_NUMBER "43" at -256.917,54.405 h0.3 r90; PIN_NUMBER "35" at -258.357,58.105 h0.3; PIN_NUMBER "46" at -256.917,52.905 h0.3 r90; PIN_NUMBER "21" at -263.817,55.905 h0.3 r90; PIN_NUMBER "47" at -256.917,52.405 h0.3 r90; PIN_NUMBER "8" at -261.117,51.205 h0.3; PIN_NUMBER "9" at -261.617,51.205 h0.3; PIN_NUMBER "24" at -263.817,57.405 h0.3 r90; PIN_NUMBER "22" at -263.817,56.405 h0.3 r90; PIN_NUMBER "34" at -258.857,58.105 h0.3; PIN_NUMBER "13" at -263.817,51.905 h0.3 r90; PIN_NUMBER "44" at -256.917,53.905 h0.3 r90; PIN_NUMBER "3" at -258.617,51.205 h0.3; PIN_NUMBER "7" at -260.617,51.205 h0.3; PIN_NUMBER "49" at -260.367,54.655 h0.3 r90; PIN_NUMBER "48" at -256.917,51.905 h0.3 r90; PIN_NUMBER "45" at -256.917,53.405 h0.3 r90; PIN_NUMBER "26" at -262.857,58.105 h0.3; PIN_NUMBER "18" at -263.817,54.405 h0.3 r90; PIN_NUMBER "19" at -263.817,54.905 h0.3 r90; PIN_NUMBER "27" at -262.357,58.105 h0.3; PIN_NUMBER "40" at -256.917,55.905 h0.3 r90; PIN_NUMBER "41" at -256.917,55.405 h0.3 r90; ASSEMBLY_TOP "CC1352P7" at -257.333,55.163 h0.3 r90
U10: PIN_NUMBER "2" at -305.004,18.343 h0.91; PIN_NUMBER "3" at -304.506,18.343 h0.91; PIN_NUMBER "8" at -305.505,21.289 h0.91; PIN_NUMBER "7" at -305.004,21.289 h0.91; PIN_NUMBER "6" at -304.506,21.289 h0.91; PIN_NUMBER "5" at -304.006,21.289 h0.91; PIN_NUMBER "4" at -304.006,18.343 h0.91; PIN_NUMBER "1" at -305.505,18.343 h0.91; ASSEMBLY_TOP "SN74LVC2G241DCUR" at -303.502,19.689 h0.64
U11: PIN_NUMBER "2" at -279.802,40.233 h0.64; PIN_NUMBER "5" at -278.502,35.833 h0.64; PIN_NUMBER "4" at -278.502,40.233 h0.64; PIN_NUMBER "8" at -280.452,35.833 h0.64; PIN_NUMBER "1" at -280.452,40.233 h0.64; PIN_NUMBER "7" at -279.802,35.833 h0.64; PIN_NUMBER "6" at -279.152,35.833 h0.64; PIN_NUMBER "3" at -279.152,40.233 h0.64; ASSEMBLY_TOP "ADC102S051" at -279.477,38.668 h0.64
U12: PIN_NUMBER "6" at -309.838,28.092 h0.64 r180; PIN_NUMBER "4" at -308.838,28.092 h0.64 r180; PIN_NUMBER "5" at -309.338,28.092 h0.64 r180; PIN_NUMBER "1" at -309.838,29.192 h0.64 r180; PIN_NUMBER "2" at -309.338,29.192 h0.64 r180; PIN_NUMBER "3" at -308.838,29.192 h0.64 r180; ASSEMBLY_TOP "TLV62595DMQR" at -308.83,29.05 h0.64 r270
U13: PIN_NUMBER "2" at -274.142,56.013 h0.25 r270; PIN_NUMBER "13" at -277.009,52.248 h0.25 r270; PIN_NUMBER "22" at -279.273,55.513 h0.25 r270; PIN_NUMBER "26" at -278.009,57.277 h0.25 r270; PIN_NUMBER "27" at -277.509,57.277 h0.25 r270; PIN_NUMBER "3" at -274.142,55.513 h0.25 r270; PIN_NUMBER "1" at -274.142,56.514 h0.25 r270; PIN_NUMBER "32" at -275.007,57.277 h0.25 r270; PIN_NUMBER "30" at -276.008,57.277 h0.25 r270; PIN_NUMBER "10" at -275.507,52.248 h0.25 r270; PIN_NUMBER "9" at -274.905,52.248 h0.25 r270; PIN_NUMBER "14" at -277.509,52.248 h0.25 r270; PIN_NUMBER "24" at -279.273,56.514 h0.25 r270; PIN_NUMBER "25" at -278.51,57.277 h0.25 r270; PIN_NUMBER "23" at -279.273,56.013 h0.25 r270; PIN_NUMBER "28" at -277.009,57.277 h0.25 r270; PIN_NUMBER "17" at -279.273,53.011 h0.25 r270; PIN_NUMBER "12" at -276.508,52.248 h0.25 r270; PIN_NUMBER "11" at -276.008,52.248 h0.25 r270; PIN_NUMBER "21" at -279.273,55.013 h0.25 r270; PIN_NUMBER "4" at -274.142,55.013 h0.25 r270; PIN_NUMBER "7" at -274.142,53.511 h0.25 r270; PIN_NUMBER "33" at -276.962,54.762 h0.25 r270; PIN_NUMBER "5" at -274.142,54.512 h0.25 r270; PIN_NUMBER "6" at -274.142,54.012 h0.25 r270; PIN_NUMBER "18" at -279.273,53.511 h0.25 r270; PIN_NUMBER "19" at -279.273,54.012 h0.25 r270; PIN_NUMBER "20" at -279.273,54.512 h0.25 r270; PIN_NUMBER "16" at -278.51,52.248 h0.25 r270; PIN_NUMBER "15" at -278.009,52.248 h0.25 r270; PIN_NUMBER "29" at -276.508,57.277 h0.25 r270; PIN_NUMBER "31" at -275.507,57.277 h0.25 r270; PIN_NUMBER "8" at -274.142,53.011 h0.25 r270; ASSEMBLY_TOP "DP83TD510ERHBR" at -275.158,55.905 h0.64 r270
U14: PIN_NUMBER "6" at -258.564,27.379 h0.64; PIN_NUMBER "5" at -259.214,27.379 h0.64; PIN_NUMBER "4" at -259.864,27.379 h0.64; PIN_NUMBER "7" at -259.214,26.379 h0.64 r90; PIN_NUMBER "3" at -259.864,25.379 h0.64; PIN_NUMBER "2" at -259.214,25.379 h0.64; PIN_NUMBER "1" at -258.564,25.379 h0.64; ASSEMBLY_TOP "TVS0500DRVR" at -258.833,26.125 h0.64 r90
U15: PIN_NUMBER "2" at -259.357,43.334 h0.2 r180; PIN_NUMBER "3" at -259.757,43.334 h0.2 r180; PIN_NUMBER "7" at -259.357,44.835 h0.2 r180; PIN_NUMBER "4" at -260.157,43.334 h0.2 r180; PIN_NUMBER "1" at -258.957,43.334 h0.2 r180; PIN_NUMBER "8" at -258.957,44.835 h0.2 r180; PIN_NUMBER "9" at -259.557,44.084 h0.2 r180; PIN_NUMBER "6" at -259.757,44.835 h0.2 r180; PIN_NUMBER "5" at -260.157,44.835 h0.2 r180; ASSEMBLY_TOP "SKY13317-373LF" at -258.877,43.969 h0.64 r180
U16: PIN_NUMBER "5" at -303.323,69.872 h0.64 r90; PIN_NUMBER "4" at -303.323,71.777 h0.64 r90; PIN_NUMBER "3" at -305.914,71.777 h0.64 r90; PIN_NUMBER "1" at -305.914,69.872 h0.64 r90; PIN_NUMBER "2" at -305.914,70.824 h0.64 r90; ASSEMBLY_TOP "TLV75801PDBVR" at -304.999,70.443 h0.64 r90
U17: PIN_NUMBER "8" at -315.625,12.113 h0.64 r180; PIN_NUMBER "6" at -315.625,13.113 h0.64 r180; PIN_NUMBER "22" at -320.68,14.613 h0.64 r180; PIN_NUMBER "23" at -320.68,15.113 h0.64 r180; PIN_NUMBER "19" at -320.68,13.113 h0.64 r180; PIN_NUMBER "16" at -320.03,11.463 h0.64 r180; PIN_NUMBER "21" at -320.68,14.113 h0.64 r180; PIN_NUMBER "32" at -316.529,16.263 h0.64 r180; PIN_NUMBER "20" at -320.68,13.613 h0.64 r180; PIN_NUMBER "24" at -320.68,15.613 h0.64 r180; PIN_NUMBER "2" at -315.625,15.113 h0.64 r180; PIN_NUMBER "3" at -315.625,14.613 h0.64 r180; PIN_NUMBER "14" at -319.03,11.463 h0.64 r180; PIN_NUMBER "13" at -318.529,11.463 h0.64 r180; PIN_NUMBER "4" at -315.625,14.113 h0.64 r180; PIN_NUMBER "5" at -315.625,13.613 h0.64 r180; PIN_NUMBER "30" at -317.529,16.263 h0.64 r180; PIN_NUMBER "26" at -319.529,16.263 h0.64 r180; PIN_NUMBER "27" at -319.03,16.263 h0.64 r180; PIN_NUMBER "12" at -318.03,11.463 h0.64 r180; PIN_NUMBER "29" at -318.03,16.263 h0.64 r180; PIN_NUMBER "33" at -318.153,13.482 h0.64 r180; PIN_NUMBER "15" at -319.529,11.463 h0.64 r180; PIN_NUMBER "7" at -315.625,12.613 h0.64 r180; PIN_NUMBER "10" at -317.03,11.463 h0.64 r180; PIN_NUMBER "25" at -320.03,16.263 h0.64 r180; PIN_NUMBER "31" at -317.03,16.263 h0.64 r180; PIN_NUMBER "28" at -318.529,16.263 h0.64 r180; PIN_NUMBER "17" at -320.68,12.113 h0.64 r180; PIN_NUMBER "18" at -320.68,12.613 h0.64 r180; PIN_NUMBER "11" at -317.529,11.463 h0.64 r180; PIN_NUMBER "9" at -316.275,11.463 h0.64 r180; PIN_NUMBER "1" at -315.625,15.613 h0.64 r180; ASSEMBLY_TOP "TPS65219" at -318.788,14.498 h0.64 r180
U18: PIN_NUMBER "8" at -299.737,31.246 h0.64 r180; PIN_NUMBER "4" at -303.547,25.846 h0.64 r180; PIN_NUMBER "6" at -302.277,31.246 h0.64 r180; PIN_NUMBER "5" at -303.547,31.246 h0.64 r180; PIN_NUMBER "3" at -302.277,25.846 h0.64 r180; PIN_NUMBER "1" at -299.737,25.846 h0.64 r180; PIN_NUMBER "7" at -301.007,31.246 h0.64 r180; PIN_NUMBER "2" at -301.007,25.846 h0.64 r180; ASSEMBLY_TOP "BQ32002" at -300.88,27.657 h0.64 r180
U20: PIN_NUMBER "4" at -302.399,36.473 h0.64 r180; PIN_NUMBER "5" at -300.494,36.473 h0.64 r180; PIN_NUMBER "2" at -301.446,33.882 h0.64 r180; PIN_NUMBER "1" at -300.494,33.882 h0.64 r180; PIN_NUMBER "3" at -302.399,33.882 h0.64 r180; ASSEMBLY_TOP "FT24C32A-ELRT" at -300.811,34.542 h0.64 r180
U21: PIN_NUMBER "4" at -273.816,34.191 h0.64 r270; PIN_NUMBER "1" at -271.53,36.091 h0.64 r270; PIN_NUMBER "2" at -271.53,35.141 h0.64 r270; PIN_NUMBER "6" at -273.816,36.091 h0.64 r270; PIN_NUMBER "5" at -273.816,35.141 h0.64 r270; PIN_NUMBER "3" at -271.53,34.191 h0.64 r270; ASSEMBLY_TOP "TPS22918DBVR" at -271.911,35.268 h0.64 r270
U22: PIN_NUMBER "3" at -262.957,25.78 h0.64 r90; PIN_NUMBER "4" at -264.957,25.78 h0.64 r90; PIN_NUMBER "6" at -264.957,27.08 h0.64 r90; PIN_NUMBER "5" at -264.957,26.43 h0.64 r90; PIN_NUMBER "7" at -263.957,26.43 h0.64 r180; PIN_NUMBER "1" at -262.957,27.08 h0.64 r90; PIN_NUMBER "2" at -262.957,26.43 h0.64 r90; ASSEMBLY_TOP "TPS25200DRVT" at -263.449,26.557 h0.64 r180
X2: PIN_NUMBER "3" at -274.952,49.075 h0.08 r180; PIN_NUMBER "4" at -273.327,49.075 h0.08 r180; PIN_NUMBER "1" at -273.327,47.85 h0.08 r180; PIN_NUMBER "2" at -274.952,47.85 h0.08 r180; ASSEMBLY_TOP "25MHz" at -273.945,48.862 h0.08 r180
X3: PIN_NUMBER "1" at -266.026,47.654 h0.64 r90; PIN_NUMBER "2" at -266.026,50.702 h0.64 r90; ASSEMBLY_TOP "32.768kHz" at -266.28,48.924 h0.64 r90
X4: PIN_NUMBER "3" at -252.933,52.229 h0.64 r90; PIN_NUMBER "1" at -254.133,50.729 h0.64 r90; PIN_NUMBER "2" at -254.133,52.229 h0.64 r90; PIN_NUMBER "4" at -252.933,50.729 h0.64 r90; ASSEMBLY_TOP "48MHz" at -253.787,51.098 h0.64 r90
X5: PIN_NUMBER "1" at -310.896,41.166 h0.64 r180; PIN_NUMBER "2" at -313.944,41.166 h0.64 r180; ASSEMBLY_TOP "32.768kHz" at -311.912,40.658 h0.64 r180
X7: PIN_NUMBER "2" at -298.893,22.407 h0.64; PIN_NUMBER "1" at -301.941,22.407 h0.64; ASSEMBLY_TOP "32.768kHz" at -300.417,22.915 h0.64